# Altium PCB openmv-stm32n.PcbDoc (part 3 of 5) (continued)
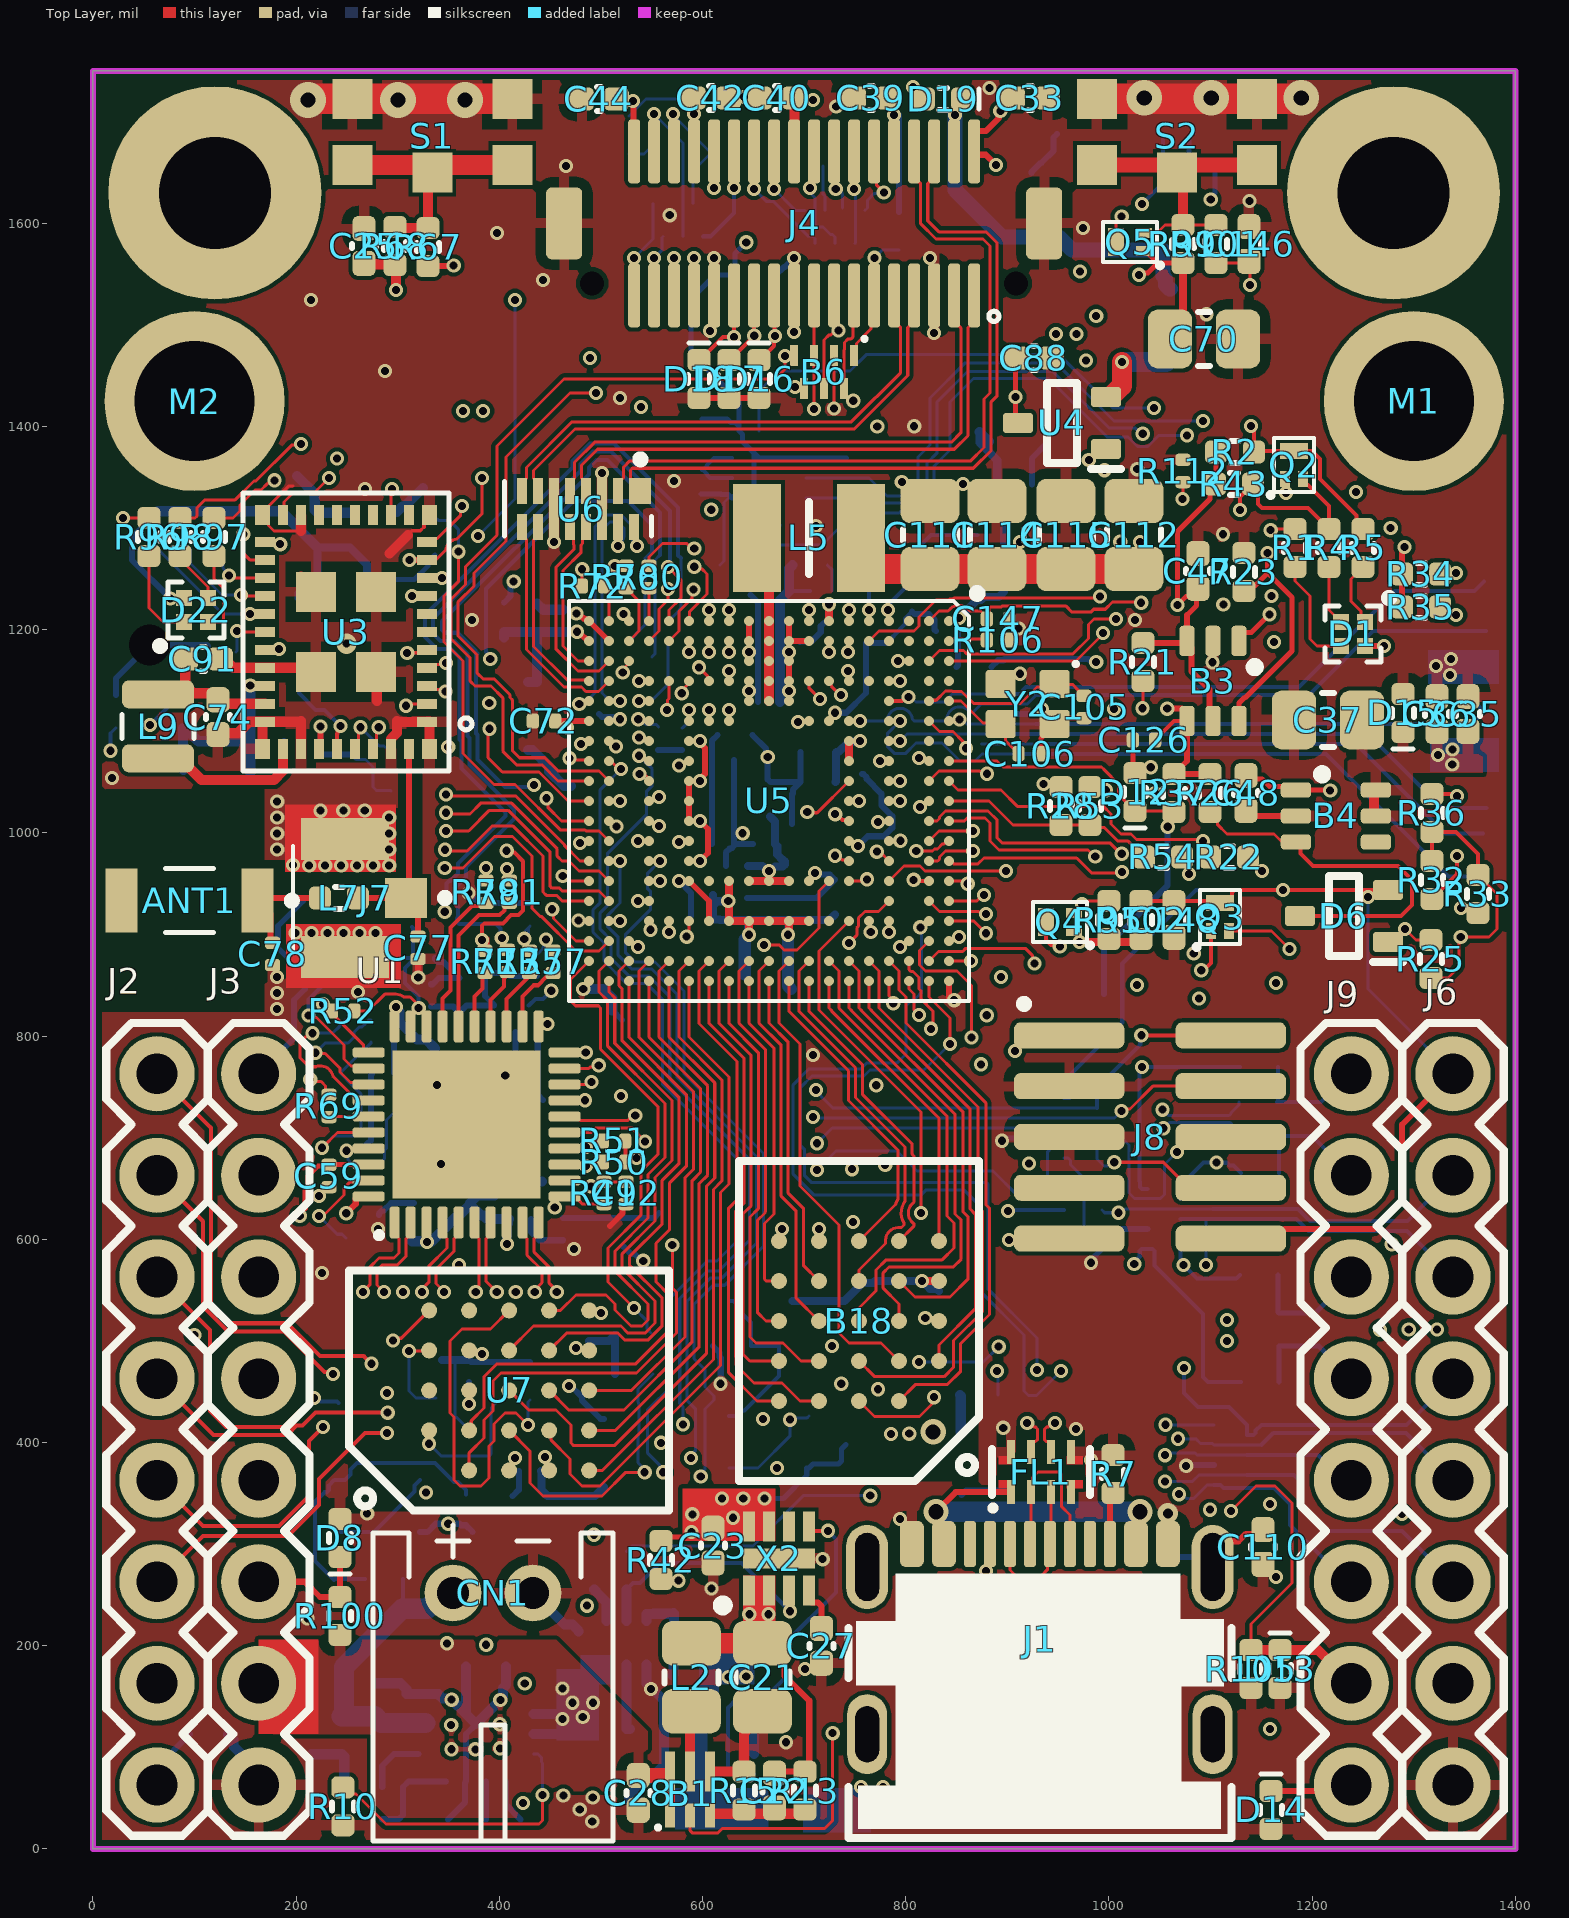
[diagram p0: Top Layer view]
## Nets (pads, with @x,y where several pads share a name; then routed paths per layer and width w, separated by ;. In a path a pad name is that pad's centre, name@x,y a point inside that pad or via, vN(x,y) a via of type N, cw(c..) or ccw(c..) an arc to the next point about the centre after c; other vN are vias at no path point) (continued)
LED_PGOOD: D1.2 R4.2 | length 59
  Top Layer w3: R4.2@1216.54,1261.81 1216.54,1219.49 D1.2@1228.35,1207.68
LED_R: R98.1 U5.T12 | length 1161.3
  Top Layer w3: R98.1@85.63,1310.04 100.42,1310.04 102.18,1311.8 102.18,1319.91 109.81,1327.54 139.49,1327.54 158.41,1346.46 160.32,1346.46 195.6,1381.74 203.59,1381.74 v1(204.72,1382.87)
  L3H w3: v1(204.72,1382.87) 263.78,1382.87 348.43,1467.52 v1(489.17,1467.52)
  L5Z w3: v1(489.17,1467.52) 475.5,1453.85 475.5,1354.22 495.13,1334.6 495.13,1050.7 482.14,1037.7 482.14,1010.84 470.45,999.16 ccw(c479.21,990.24) 470.44,981.33 474.36,977.41 490.2,977.41 496.45,983.65 496.45,1031.88 512.8,1048.23 526.57,1048.23 536.42,1038.39 v1(536.42,992.13)
LED_R_INT: D22.3 R98.2 | length 52.8
  Top Layer w3: R98.2@85.63,1272.64 93.06,1265.2 93.06,1262.25 113.19,1242.13 D22.3@113.19,1231.3
LED_ST: D1.1 R5.1 | length 64.7
  Top Layer w3: R5.1@1250,1261.81 1238.26,1250.07 1238.26,1227.99 1247.95,1218.29 1247.95,1211.69 D1.1@1251.97,1207.68
LPO_IN: U3.37 X1.3 | length 78.4
  Top Layer w4: U3.37@240.14,1082.84 240.14,1097.4 240.59,1097.85 240.59,1099.43 243.63,1102.48 v1(243.63,1105.19)
  Bottom Layer w4: X1.3@202.57,1137.72 219.17,1121.12 227.88,1121.12 243.63,1105.37 v1(243.63,1105.19)
MDI_BI_DC_N: B14.2 B14.9 R46.1 U1.7 | length 902.2
  Top Layer w3: U1.7@391.39,616.67 391.39,605.32 387.01,600.95 387.01,558.63 v1(397.42,548.23)
  L5Z w3: v1(397.42,548.23) 397.42,548.34 390.58,555.17 390.58,560.46 399.81,569.68 422.04,569.68 460.67,608.31 644.78,608.31 667.38,630.91 797.3,630.91 816,649.61 937.06,649.61 981.46,694 1009.57,694 1028.17,712.6 1041.55,712.6 1042.65,711.5 1051.63,711.5 v1(1053.73,709.39)
  Bottom Layer w3: v1(1053.73,709.39) 1059.34,715 1100.87,715 1119.28,715 1121.04,713.25 1121.04,712.44 1128.94,704.54 R46.1@1128.94,701.77
MDI_BI_DC_N_INT: J9.7 R39.2 R46.2 | length 125.1
  Bottom Layer w4: R39.2@1167.32,665.35 1167.32,700.79 R46.2@1166.34,701.77 1199.81,701.77 J9.7@1238.58,663
MDI_BI_DC_P: B14.1 B14.10 R45.1 U1.6 | length 911.9
  Top Layer w3: U1.6@375.64,616.67 375.64,605.32 380.01,600.95 380.01,554.47 376.75,551.2 v1(376.75,548.23)
  L5Z w3: v1(376.75,548.23) 376.75,548.34 383.58,555.17 383.58,563.36 396.91,576.68 419.15,576.68 457.77,615.31 641.88,615.31 664.48,637.91 794.4,637.91 813.1,656.61 934.17,656.61 978.56,701 1006.67,701 1025.27,719.6 1044.56,719.6 1052.64,727.68 v1(1052.74,727.68)
  Bottom Layer w3: v1(1052.74,727.68) 1058.42,722 1103.77,722 1118.3,722 1120.05,723.76 1120.05,724.57 1127.95,732.47 R45.1@1127.95,735.24
MDI_BI_DC_P_INT: J9.8 R38.2 R45.2 | length 119.6
  Bottom Layer w4: R38.2@1166.34,769.68 1166.34,736.22 R45.2@1165.35,735.24 1208.85,735.24 1236.61,763 J9.8@1238.58,763
MDI_BI_DD_N: B14.5 B14.6 R48.1 U1.10 | length 825.2
  Top Layer w3: U1.10@438.63,616.67 438.63,605.32 434.26,600.95 434.26,587.4 448.93,572.72 448.93,556.95 456.47,549.41 v1(456.47,548.23)
  L5Z w3: v1(456.47,548.23) 449.15,555.56 449.15,563.98 454.07,568.9 471.4,568.9 482.34,557.96 792.27,557.96 809.11,574.8 829.67,574.8 916.28,488.19 1046.37,488.19 1065.02,506.83 1109.2,506.83 1116.03,500 v1(1116.14,500)
MDI_BI_DD_N_INT: J9.5 R44.2 R48.2 | length 120
  Bottom Layer w5: R44.2@1167.32,459.65 R48.2@1167.32,495.08 1206.5,495.08 J9.5@1238.58,463
MDI_BI_DD_P: B14.4 B14.7 R47.1 U1.9 | length 836.6
  Top Layer w3: U1.9@422.88,616.67 422.88,605.32 427.26,600.95 427.26,584.5 441.93,569.83 441.93,557.38 434.82,550.27 v1(434.82,548.23)
  L5Z w3: v1(434.82,548.23) 442.15,555.56 442.15,566.88 451.17,575.9 474.3,575.9 485.24,564.96 789.37,564.96 806.21,581.8 832.57,581.8 919.18,495.19 1043.47,495.19 1062.12,513.83 1109.2,513.83 1116.03,520.67 v1(1116.14,520.67)
MDI_BI_DD_P_INT: J9.6 R40.2 R47.2 | length 123.7
  Bottom Layer w5: R40.2@1166.34,564.96 1166.34,528.54 R47.2@1167.32,527.56 1203.14,527.56 J9.6@1238.58,563
MDI_LED: D21.1 J3.8 R55.1 | length 220
  Bottom Layer w6: J3.8@163,763 197.83,797.83 197.83,835.63 208.66,846.46 R55.1@208.66,876.97 191.93,876.97 182.09,886.81 182.09,908.46 D21.1@206.7,933.07
MDI_RX_N: B13.5 B13.6 J3.7 U1.5 | length 343.8
  Top Layer w3: v1(345.47,548.23) 345.47,548.74 337.6,556.62 337.6,570.72 355.52,588.64 355.52,600.95 359.89,605.32 U1.5@359.89,616.67
  L5Z w3: J3.7@163,663 163,618.26 164.76,616.5 184.29,616.5 195.36,605.43 231.19,605.43 259.73,576.88 328.14,576.88 338.15,566.88 338.15,555.56 v1(345.47,548.23)
MDI_RX_P: B13.4 B13.7 J3.6 U1.4 | length 331.7
  Top Layer w3: v1(323.82,548.23) 323.82,550.93 330.6,557.71 330.6,573.62 348.52,591.54 348.52,600.95 344.14,605.32 U1.4@344.14,616.67
  L5Z w3: J3.6@163,563 163,607.74 164.76,609.5 181.39,609.5 192.46,598.43 228.29,598.43 256.83,569.88 325.24,569.88 331.15,563.98 331.15,555.56 v1(323.82,548.23)
MDI_TX_N: B13.2 B13.9 J3.5 U1.2 | length 448.5
  Top Layer w3: v1(286.42,548.23) 279.53,555.12 279.53,569.77 284.45,574.69 299.25,574.69 308.27,583.71 308.27,600.95 312.65,605.32 U1.2@312.65,616.67
  L5Z w3: J3.5@163,463 163,443.79 147.38,428.17 147.38,425.93 136.81,415.35 125,415.35 116.14,424.21 116.14,485.24 140.75,509.84 272.88,509.84 278.74,515.7 278.74,540.55 v1(286.42,548.23)
MDI_TX_P: B13.1 B13.10 J3.4 U1.1 | length 457
  Top Layer w3: v1(265.75,548.23) 265.75,548.45 272.53,555.23 272.53,572.67 281.55,581.69 296.35,581.69 301.27,586.61 301.27,600.95 296.9,605.32 U1.1@296.9,616.67
  L5Z w3: J3.4@163,363 163,382.17 136.81,408.35 122.1,408.35 109.14,421.31 109.14,488.14 137.85,516.84 269.98,516.84 271.74,518.6 271.74,540.97 265.75,546.96 v1(265.75,548.23)
MIC_CLK: B15.4 U5.B19 | length 3670.3
  Top Layer w3: U5.B19@822.83,854.33 822.83,838.6 843.5,817.93 v1(843.5,792.32)
  L3H w3: v1(364.17,1415.35) 387.91,1439.09 459.59,1439.09 502.03,1396.65 632.93,1396.65 659.51,1370.08 946.85,1370.08 966.65,1389.87 1005.85,1389.87 1016.82,1378.91 1081.97,1378.91 1083.99,1380.93 1135.8,1380.93 1149.79,1366.94 1149.79,1308.09 1136.81,1295.11 1136.81,1269.68 1148.62,1257.87 1193.9,1257.87 1236.28,1300.26 v1(1277.23,1300.26) ; v1(929.13,471.46) 945.87,454.72 1049.21,454.72 1084.65,419.29 1280.51,419.29 1293.31,432.09 1293.31,481.87 v1(1322.79,511.35)
  L8V w3: v1(1277.23,1300.26) 1258.86,1281.89 1258.86,1233.32 1299.32,1192.86 1299.32,962.55 1312.12,949.75 1312.12,802.37 1307.08,797.33 1307.08,649.95 1308.07,648.96 1308.07,623.03 1306.22,621.18 1306.22,584.29 1304.13,582.21 1304.13,534.45 1307.09,531.5 1307.09,527.05 v1(1322.79,511.35)
  L8V w4: v1(56.1,1106.3) 152.56,1106.3 205.71,1159.45 205.71,1225.33 363.19,1382.81 v1@363.19,1415.35
  Bottom Layer w3: v1(843.5,792.32) 817.91,766.73 764.76,766.73 758.86,760.83 707.72,760.83 696.16,749.27 696.16,692.66 700.1,688.72 700.1,663.13 707.42,655.81 879.63,655.81 880.76,654.68 880.76,551.33 929.13,502.95 v1(929.13,471.46)
  Bottom Layer w4: v1(56.1,1106.3) 85.63,1135.83 B15.4@88.58,1135.83
MIC_DATA: B15.1 U5.B16 | length 3909.8
  L3H w3: v1(383.86,1415.35) 400.59,1432.09 456.69,1432.09 499.13,1389.65 630.03,1389.65 656.61,1363.08 949.75,1363.08 969.55,1382.87 1002.95,1382.87 1013.92,1371.91 1084.87,1371.91 1086.89,1373.93 1132.79,1373.93 1142.72,1364.01 1142.72,1311.02 1129.74,1298.04 1129.74,1266.75 1145.62,1250.87 1294.18,1250.87 1313.98,1270.67 1313.98,1301.18 1299.21,1315.94 1249.02,1315.94 1243.11,1321.85 v1(1243.11,1335.63) ; v1(952.76,470.47) 1048.99,470.47 1089.34,430.12 1271.65,430.12 1282.48,440.94 1282.48,504.92 1286.9,509.34 1292.98,509.34 v1(1295.07,511.43)
  L8V w3: v1(814.31,907.15) 817.29,907.15 820.73,910.59 821.14,910.59 ; v1(1243.11,1335.63) 1243.11,1239.17 1292.32,1189.96 1292.32,959.65 1305.12,946.85 1305.12,878.94 1299.22,873.04 1299.22,587.19 1295.07,583.05 v1(1295.07,511.43)
  L8V w4: v1(17.3,1080.9) 144.87,1080.9 218.5,1154.53 218.5,1225.39 384.37,1391.26 v1@384.37,1415.64
  Bottom Layer w3: B15.1@17.3,1098.13 B15.1@22.64,1103.46 ; v1(814.31,907.15) 815.63,905.84 815.63,843.19 810.04,837.6 808.07,837.6 800.2,829.72 800.2,782.48 791.45,773.73 761.86,773.73 755.96,767.83 704.82,767.83 689.16,752.17 689.16,664.17 709.44,643.89 815.18,643.89 820.11,648.81 857.1,648.81 873.76,632.15 873.76,548.43 916.34,505.85 916.34,450.79 920.83,446.3 928.58,446.3 v1(952.76,470.47)
  Bottom Layer w4: v1(17.3,1080.9) B15.1@17.3,1098.13
MIPI_CSI_CLK_INT_N: U5.V4 U6.9 | length 225
  Top Layer w3: U6.9@422.24,1301.18 422.24,1293.31 426.62,1288.93 426.62,1180.66 463.57,1143.7 480.77,1143.7 485.13,1139.34 497.61,1139.34 U5.V4@507.87,1149.61
MIPI_CSI_CLK_INT_P: U5.W4 U6.10 | length 188.1
  Top Layer w3: U6.10@437.99,1301.18 437.99,1293.31 433.62,1288.93 433.62,1183.56 466.47,1150.7 487.09,1150.7 U5.W4@488.19,1149.61
MIPI_CSI_CLK_N: J4.9 U6.8 | length 510.6
  Top Layer w3: U6.8@422.24,1336.61 422.24,1344.49 426.62,1348.86 426.62,1359.75 471.51,1404.64 746.46,1404.64 794.92,1453.1 794.92,1497.38 788.58,1503.72 J4.9@788.58,1529.13
MIPI_CSI_CLK_P: J4.7 U6.7 | length 510.6
  Top Layer w3: U6.7@437.99,1336.61 437.99,1344.49 433.62,1348.86 433.62,1356.85 474.41,1397.64 749.36,1397.64 801.92,1450.2 801.92,1497.38 808.27,1503.72 J4.7@808.27,1529.13
MIPI_CSI_D0_INT_N: U5.V5 U6.15 | length 228.5
  Bottom Layer w3: v1(516.73,1282.48) cw(c520.13,1282.48) 517.73,1284.88 520.75,1287.91 ccw(c516.34,1292.32) 522.58,1292.32 522.58,1300.25 516.73,1306.1 508.86,1306.1 500.98,1298.23 500.98,1137.8 507.2,1131.58 517.04,1131.58 v1(518.7,1129.92)
MIPI_CSI_D0_INT_P: U5.W5 U6.16 | length 249.7
  Bottom Layer w3: v1(478.56,1127.01) 481.54,1127.01 487.98,1133.46 489.65,1133.46 493.98,1137.8 493.98,1301.13 505.96,1313.1 519.63,1313.1 529.58,1303.15 529.58,1297.22 ; 529.58,1296.31 529.58,1292.32 ccw(c535.82,1292.32) 531.41,1287.92 534.44,1284.88 cw(c532.04,1282.48) v1(535.43,1282.48)
MIPI_CSI_D0_N: J4.8 U6.2 | length 740.6
  Top Layer w3: U6.2@516.73,1336.61 516.73,1344.49 520.15,1347.91 520.3,1347.91 522.06,1349.67 522.06,1360.12 527.92,1365.98 863.54,1365.98 876.97,1379.41 876.97,1427.22 882.87,1433.13 882.87,1577.76 875.98,1584.65 829.67,1584.65 814.61,1599.7 814.61,1639.12 808.27,1645.46 J4.8@808.27,1670.87
MIPI_CSI_D0_P: J4.6 U6.1 | length 742.2
  Top Layer w3: U6.1@538.39,1336.61 529.06,1345.94 529.06,1357.22 530.82,1358.98 866.43,1358.98 883.97,1376.51 883.97,1424.32 889.87,1430.23 889.87,1580.66 878.88,1591.65 832.57,1591.65 821.61,1602.6 821.61,1639.12 827.95,1645.46 J4.6@827.95,1670.87
MIPI_CSI_D1_INT_N: U5.V3 U6.12 | length 194.4
  Top Layer w3: U6.12@469.49,1301.18 472.91,1297.76 472.91,1283.98 473.43,1283.46 473.43,1279.12 455.6,1261.3 455.6,1181.21 477.36,1159.45 498.03,1159.45 U5.V3@507.87,1169.29
MIPI_CSI_D1_INT_P: U5.W3 U6.13 | length 158.2
  Top Layer w3: U6.13@485.24,1301.18 481.81,1297.76 481.81,1284.85 480.43,1283.46 480.43,1276.23 462.6,1258.4 462.6,1184.11 477.42,1169.29 U5.W3@488.19,1169.29
MIPI_CSI_D1_N: J4.3 U6.5 | length 560.4
  Top Layer w3: U6.5@469.49,1336.61 469.49,1344.49 473.86,1348.86 473.86,1364.83 493.71,1384.68 844.94,1384.68 854.22,1393.95 854.22,1497.2 847.64,1503.78 J4.3@847.64,1529.13
MIPI_CSI_D1_P: J4.1 U6.4 | length 560.2
  Top Layer w3: U6.4@485.24,1336.61 485.24,1344.49 480.86,1348.86 480.86,1361.93 496.61,1377.68 847.84,1377.68 861.22,1391.05 861.22,1497.38 867.32,1503.48 J4.1@867.32,1529.13
MIPI_CSI_R: R107.1 U5.T6 | length 23.1
  Bottom Layer w3: v1(536.62,1111.94) 538.93,1111.94 543.88,1106.99 554.17,1106.99 R107.1@556.62,1104.53
NetB4_3: B4.3 D6.3 R26.2 | length 373.9
  Top Layer w3: R26.2@1099.41,1020.67 1106.64,1013.44 1106.64,1008.52 1116.14,999.02 1162.4,999.02 1170.28,991.14 B4.3@1186.02,991.14
  Top Layer w4: B4.3@1186.02,991.14 1188.7,988.47 1188.7,979.61 1200.79,967.52 1284.45,967.52 1298.23,953.74 1298.23,929.13 1287.4,918.31 D6.3@1187.99,918.31
NetB4_5: B4.5 B4.6 C35.2 C36.1 C37.1 D15.1 J5.P$4 | length 25.6
  Top Layer w10: B4.5@1260.83,1016.73 B4.6@1260.83,1042.32
  other v1: 1337.86,1067.54 1323.82,1076.77 1338.13,1082.2
NetD9_2: D9.2 R108.1 R110.1 U9.3 | length 178.1
  Bottom Layer w4: U9.3@625.98,426.18 634.43,426.18 639.9,431.65 641.3,431.65 675.2,465.55 R108.1@675.2,495.08 R110.1@647.64,495.08 647.64,518.21 638.64,527.21 638.64,531.37 630.64,539.37 D9.2@626.48,539.37
NetD11_2: D11.2 R109.1 R111.1 U10.3 | length 301
  Bottom Layer w4: R109.1@267.72,265.75 238.19,265.75 R111.1@237.2,264.76 218.5,283.46 218.5,341.78 227.82,351.1 229.73,351.1 232.07,353.44 232.07,357.82 237.44,363.19 U10.3@243.11,363.19 248.14,363.19 253.5,368.56 253.5,373.58 259.84,379.92 336.61,379.92 355.21,361.32 359.13,361.32 367.13,353.32 D11.2@367.13,348.92
NetL5_2: L5.2 U5.K1 U5.K2 U5.K3 U5.K4 U5.K5 | length 165.3
  Top Layer w10: L5.2@653.54,1290.35 665.35,1278.54 U5.K1@665.35,1208.66 U5.K2@665.35,1188.98 U5.K3@665.35,1169.29 U5.K4@665.35,1149.61 U5.K5@665.35,1129.92
NetR112_1: R112.1 U5.E2 | length 621.1
  Top Layer w3: U5.E2@763.78,1188.98 773.62,1198.82 808.07,1198.82 812.99,1203.74 812.99,1212.6 829.72,1229.33 842.5,1229.33 843.69,1230.52 846.67,1230.52 847.26,1231.11 989.52,1231.11 v1(991.14,1232.73) ; v1(1072.4,1328.81) 1072.83,1329.25 R112.1@1072.83,1345.3
  L8V w3: v1(991.14,1232.73) 989.04,1234.84 989.04,1238.07 988.19,1238.92 988.19,1309.06 1010.83,1331.69 1010.83,1406.55 1035,1430.73 1049.5,1430.73 1056.82,1423.41 1056.82,1413.05 1045.68,1401.91 1045.68,1390.38 1072.4,1363.66 v1(1072.4,1328.81)
ONOFF: C146.2 R101.2 U5.W10 | length 1691.2
  Top Layer w3: v1(390.18,1102.54) 388.87,1101.23 388.87,1074.13 402.96,1060.04 438.98,1060.04 467.52,1031.5 U5.W10@488.19,1031.5 ; R101.2@1105.32,1561.02 1136.22,1561.02 C146.2@1137.8,1562.6 1138.78,1561.61 v1(1138.78,1539.37)
  L3H w3: v1(415.35,1524.61) 428.15,1511.81 639.65,1511.81 659.34,1531.5 859.25,1531.5 888.78,1561.02 929.13,1561.02 955.71,1534.45 974.41,1534.45 987.2,1547.24 987.2,1563.98 1004.92,1581.69 1120.08,1581.69 1138.78,1562.99 v1(1138.78,1539.37)
  L8V w3: v1(378.94,1292.32) 398.62,1292.32 417.03,1273.92 484.85,1273.92 503.26,1255.51 503.26,1244.51 501.5,1242.75 480.67,1242.75 475.38,1248.03 448.59,1248.03 374.94,1174.37 374.94,1149.28 376.7,1147.53 398.14,1147.53 409.56,1136.1 409.56,1119.95 398.14,1108.53 397.44,1108.53 391.45,1102.54 v1(390.18,1102.54)
  Bottom Layer w3: v1(378.94,1292.32) 415.35,1328.74 v1(415.35,1524.61)
ONOFF_INT: Q5.2 R99.1 R101.1 S2.2 S2.3 S2.4 | length 293.1
  Top Layer w3: Q5.2@1034.45,1590.55 1047.24,1590.55 1055.12,1598.43 R99.1@1072.83,1598.43 R101.1@1105.32,1598.43
  Top Layer w10: S2.3@1067,1657.52 1072.83,1651.69 R99.1@1072.83,1598.43
  Top Layer w15: S2.4@988.26,1657.52 1067,1657.52 S2.2@1145.74,1657.52
OTG1_R: R106.1 U5.A2 | length 38
  Top Layer w3: U5.A2@842.52,1188.98 844.37,1188.98 846.34,1190.94 R106.1@879.75,1190.94
OTG1_VBUS: C147.2 R103.1 U5.B1 | length 1796.1
  Top Layer w3: U5.B1@822.83,1208.66 832.69,1218.51 841.68,1218.51 842.56,1219.39 842.66,1219.5 cw(c852.36,1211.61) 862.07,1219.49 862.17,1219.39 863.05,1218.51 873.54,1218.51 879.75,1212.3 C147.2@879.75,1211.61 ; C147.2@879.75,1210.63 880.58,1211.47 881.7,1212.58 881.7,1220.78 883.46,1222.54 894.14,1222.54 895.23,1223.63 957.42,1223.63 963.64,1217.41 982.12,1217.41 984.94,1220.23 996.32,1220.23 1003.45,1227.36 1030.9,1227.36 v1(1031.68,1226.58)
  L3H w3: v1(1031.68,1226.58) 1051,1245.91 1136.38,1245.91 1150.1,1232.19 1158.9,1232.19 v1(1159.84,1233.13)
  L8V w3: v1(889.76,470.47) 928.44,431.79 966.79,431.79 980.12,418.46 980.12,402.77 994.72,388.17 994.72,361.64 1012.54,343.83 1012.54,324.46 1064.07,272.92 1064.07,257.89 1091.24,230.73 1112.92,230.73 1135.83,253.64 1135.83,1215.37 1151.58,1231.13 1157.84,1231.13 v1(1159.84,1233.13)
  Bottom Layer w3: v1(889.76,470.47) 890.75,469.49 R103.1@890.75,446.85
P0_MOSI: B9.1 J2.8 U5.F11 | length 1606.3
  Top Layer w4: J2.8@63,763 116.14,709.86 116.14,537.4 136.06,517.49 191.17,517.49 223.43,485.24 266.48,485.24 v1(274.14,477.57) ; v1(730.47,1018.52) 732.27,1018.52 737.86,1012.93 742.98,1012.93 U5.F11@744.09,1011.81
  L3H w3: v1(274.14,477.57) 281.24,470.47 478.35,470.47 501.14,447.68 570.81,447.68 575.35,443.14 763.34,443.14 v1(772.64,452.44)
  L8V w3: v1(730.47,1018.52) 689.96,978.01 689.96,911.98 696.54,905.39 696.54,871.93 738.92,829.56 738.92,813.99 767.61,785.3 767.61,766.03 758.46,756.89 758.46,746.53 776.46,728.53 776.46,687.66 767.21,678.4 767.21,668.05 785.43,649.83 785.43,467.52 772.64,454.72 v1(772.64,452.44)
P1_MISO: B9.7 J2.7 U5.A17 | length 1581.5
  Top Layer w4: J2.7@63,663 108.14,617.86 108.14,534.09 132.74,509.49 187.86,509.49 227.96,469.38 234.29,469.38 v1(236.2,467.47)
  L3H w3: v1(236.2,467.47) 266.56,467.47 270.56,463.47 420.39,463.47 443.18,440.68 567.91,440.68 572.45,436.14 757.75,436.14 v1(785.43,408.46)
  L8V w3: v1(785.43,408.46) 796.26,419.29 796.26,786.34 759.92,822.68 759.92,838.25 737.02,861.15 717.54,880.63 717.54,902.58 737.02,922.06 781.64,922.06 801.18,902.52 801.18,898.62 806.79,893.01 806.79,885.83 811.71,880.91 823.82,880.91 840.55,897.64 v1(852.36,897.64)
P2_SCLK: B9.6 J2.6 U5.V8 | length 1550.4
  Top Layer w3: U5.V8@507.87,1070.87 509.73,1070.87 517.6,1062.99 v1(519.68,1062.99)
  Top Layer w4: J2.6@63,563 115.16,510.84 115.16,431.1 130.91,415.35 187.88,415.35 203.68,431.15 204.75,431.15 v1(217.54,443.95)
  L3H w3: v1(217.54,443.95) 219.26,442.23 226.08,442.23 241.04,427.27 241.04,407.65 276.35,372.34 420.53,372.34 421.52,373.33 450.06,373.33 458.3,381.56 458.3,400.23 466.54,408.46 496.12,408.46 521.32,383.27 548.14,383.27 560.64,370.77 v1(560.96,370.77)
  Bottom Layer w3: v1(519.68,1062.99) 499.2,1042.51 499.2,931.36 492.2,924.36 492.2,902.41 502.92,891.69 502.92,873.92 524.81,852.03 544.45,852.03 560.69,835.79 560.69,752.45 637.8,675.34 637.8,602.36 614.17,578.74 604.55,578.74 569.34,543.53 569.34,455.71 546,432.37 546,389.55 557.74,377.81
  Bottom Layer w4: 223.95,440.25 240.26,440.25 B9.6@241.54,438.98
P3_SSEL: B9.3 J2.5 U5.T8 | length 1407.7
  Top Layer w4: J2.5@63,463 118.65,407.35 191.2,407.35 200.52,416.68 206.05,416.68 218.84,429.47 v1(290.02,429.47)
  L3H w3: v1(290.02,429.47) 290.02,421.93 cw(c289.37,409.45) 301.82,408.28 301.82,408.15 301.82,406.9 322.38,386.34 395.91,386.34 cw(c415.35,384.84) 412.8,404.17 413.49,404.86 414.37,405.74 414.37,422.24 425.81,433.68 565.02,433.68 v1(580.71,417.99)
  Bottom Layer w3: v1(537.4,1075.96) 537.59,1075.96 550.41,1063.15 550.41,1046.43 544.59,1040.61 544.59,1017.97 506.2,979.59 506.2,928.46 499.2,921.46 499.2,905.31 509.92,894.59 509.92,876.82 527.7,859.03 547.35,859.03 567.69,838.69 567.69,757.04 645.99,678.74 645.99,598.97 615.89,568.87 604.57,568.87 577.54,541.83 577.54,438.73 580.71,435.56 v1@580.71,417.32
P4_SCL: B9.5 J2.4 U5.T13 | length 1422.4
  Top Layer w4: J2.4@63,363 108.09,317.91 183.07,317.91 212.6,347.44 212.6,401.57 v1(226.38,415.35)
  L3H w3: v1(226.38,415.35) 226.38,402.56 263.59,365.34 451.97,365.34 479.35,392.72 501.97,392.72 536.42,358.27 587.36,358.27 595.6,366.5 v1(598.18,366.5)
  Bottom Layer w3: v1(558.07,972.44) 545.57,959.94 545.57,945.59 548.92,942.24 548.92,924.93 523.92,899.93 523.92,882.62 533.5,873.03 553.15,873.03 581.69,844.49 581.69,762.83 659.99,684.54 659.99,593.17 621.69,554.87 610.37,554.87 591.54,536.03 591.54,482.58 602.36,471.76 602.36,454.72 611.22,445.87 611.22,441.93 602.36,433.07 602.36,373.66 598.18,369.48 v1(598.18,366.5)
P5_SDA: B9.4 J2.3 U5.V13 | length 1356.9
  Top Layer w4: J2.3@63,263 108.07,308.07 191.93,308.07 222.44,338.58 222.44,364.17 267.72,409.45 v1(289.37,409.45)
  L3H w3: v1(289.37,409.45) 319.48,379.34 401.3,379.34 402.18,380.22 403.06,381.1 403.06,382.34 403.06,382.6 cw(c415.35,384.84) 424.33,393.54 424.92,392.95 426.16,392.95 427.4,392.95 452.44,417.99 496.5,417.99 524.22,390.27 551.04,390.27 556.99,384.32 588.06,384.32 v1(588.58,384.84)
  Bottom Layer w3: v1(518.7,972.44) 518.7,931.06 506.2,918.56 506.2,908.21 516.92,897.49 516.92,879.72 530.6,866.03 550.25,866.03 574.69,841.59 574.69,759.94 652.99,681.64 652.99,596.07 618.79,561.87 607.47,561.87 584.54,538.93 584.54,441.63 593.21,432.96 593.21,392.45 588.58,387.82 v1(588.58,384.84)
P6_ADC: B10.4 J2.2 R108.2 U5.T16 | length 2000.4
  L3H w3: v1(99.76,505.93) 110.56,516.73 477.36,516.73 499.02,495.08 v1(727.36,495.08) 829.72,495.08 886.81,437.99 962.6,437.99 989.85,410.74 1048.8,410.74 v1(1055.72,417.59) v1(1055.72,417.59)
  L8V w3: J2.2@63,163 112.2,212.2 112.2,493.49 v1(99.76,505.93) ; v1(548.71,904.7) 559.06,915.06 584.9,915.06 597.44,902.52 597.44,526.57 628.94,495.08 v1(727.36,495.08)
  Bottom Layer w3: v1(1055.72,417.59) 1055.99,417.32 B10.4@1103.23,417.32
P6_ADC_1V8_OUT: U5.V10 U9.1 U9.4 | length 1311.4
  L5Z w3: v1(518.7,1031.5) 520.18,1031.5 529.42,1022.26 529.42,1002.8 523.92,997.3 523.92,984.9 531.2,977.62 531.2,956.4 523.92,949.11 523.92,927.89 531.2,920.61 531.2,900.26 510.94,879.99 510.94,828.85 461.61,779.53 461.61,698.82 460.29,697.49 460.29,653.96 483.04,631.2 621.3,631.2 651.63,661.53 677.17,661.53 697.72,682.09 734.95,682.09 747.19,669.85 v1(747.19,669.12)
  L8V w3: v1(686.14,422.58) 656.5,392.93 656.5,368.11 666.34,358.27 691.93,358.27 750.98,417.32 750.98,467.52 765.75,482.28 765.75,636.81 747.19,655.37 v1(747.19,669.12)
  Bottom Layer w3: U9.1@625.98,375 654.53,375 686.14,406.61 v1(686.14,422.58) 687.94,424.38 702.92,424.38 U9.4@704.72,426.18
P7_PWM: B10.7 J6.3 U5.W11 | length 1632.3
  Top Layer w3: v1(446.49,1034.23) 447.73,1032.98 447.73,1025.2 461.12,1011.81 U5.W11@488.19,1011.81
  L3H w3: v1(559.17,399.76) 561.28,401.87 566.56,401.87 570.18,405.49 693.86,405.49 697.89,401.46 773.73,401.46 805.13,370.07 1046.86,370.07 v1(1055.12,361.82)
  L8V w3: v1(446.49,1034.23) 446.49,951.15 449.8,947.83 454.64,947.83 457.24,945.24 489.8,945.24 506.2,928.84 506.2,908.21 506.89,907.52 506.89,878.01 557.68,827.22 557.68,589.32 566.05,580.95 566.05,534.45 550.2,518.59 550.2,404.57 551.95,402.81 553.15,402.81 556.19,399.76 v1(559.17,399.76)
  Bottom Layer w3: v1(1055.12,361.82) 1082.29,361.82 1088.58,368.11 B10.7@1135.9,368.11
  Bottom Layer w4: B10.7@1135.9,368.11 1182.09,368.11 1188.98,361.22 1188.98,340.55 1216.54,312.99 1288.59,312.99 J6.3@1338.58,263
P8_PWM: B10.3 J6.4 U5.D16 | length 1261.7
  L3H w3: v1(803.43,408.78) 803.43,387.51 811.3,379.64 967.97,379.64 968.85,380.52 969.73,381.4 969.73,382.68 cw(c982.22,382.99) 994.72,382.65 994.72,381.4 995.6,380.52 996.47,379.64 1040.84,379.64 1043.27,382.07 1043.27,383.31 1043.27,383.76 cw(c1055.16,387.61) 1059.01,399.5 1059.46,399.5 1060.7,399.5 1064.94,403.74 v1(1067.91,403.74)
  L8V w3: v1(783.46,902.56) 783.14,902.56 770.64,915.06 739.92,915.06 724.54,899.68 724.54,883.53 766.92,841.15 766.92,825.58 843.5,749 843.5,448.86 840.35,445.71 840.35,444.96 cw(c827.86,444.72) 827.63,432.22 826.87,432.22 822.68,432.22 821.83,433.07 811.02,433.07 803.43,425.48 v1(803.43,408.78)
  Bottom Layer w3: v1(1067.91,403.74) 1085.44,403.74 1090.05,399.12 1101.74,399.12 B10.3@1103.23,397.64 1149.86,397.64
  Bottom Layer w4: 1149.86,397.64 1161.67,409.45 1292.13,409.45 J6.4@1338.58,363
P9_PWM: B10.5 J6.5 U5.V11 | length 1810
  L5Z w3: v1(515.2,1006.26) 503.94,995 503.94,836.89 503.06,836.01 503.06,835.68 451.77,784.39 451.77,652.58 480.15,624.2 624.2,624.2 654.53,654.53 784.45,654.53 793.77,663.85 904.01,663.85 909.27,669.12 909.27,670.36 909.27,670.8 cw(c921.18,674.62) 925,686.53 925.44,686.53 926.68,686.53 990.16,750 1062.01,750 1085.63,726.38 1085.63,609.25 1056.1,579.72 1056.1,554.13 1065.94,544.29 1118.11,544.29 1135.83,526.57 1135.83,492.13 1117.13,473.43 v1(1073.82,473.43)
  Bottom Layer w4: v1(1073.82,473.43) 1073.82,448.82 1087.6,435.04 1118.11,435.04 1135.9,417.25 B10.5@1135.9,407.48 1142.4,407.48 1144.34,409.42 1144.34,411.82 1149.97,417.45 1293.03,417.45 J6.5@1338.58,463
P10_PWM: B11.6 J6.6 R54.1 | length 735.2
  L8V w3: v1(1078.74,959.65) 1070.98,951.88 1070.98,749.89 1090.55,730.32 1090.55,582.06 1095.47,577.14 v1(1095.47,574.8)
  Bottom Layer w3: v1(1095.47,574.8) 1095.47,620.08
  Bottom Layer w4: B11.6@1070.47,620.08 1095.47,620.08 1184.55,620.08 1196.36,608.27 1293.31,608.27 J6.6@1338.58,563
P11_WAKEUP: B11.3 J6.7 Q4.3 R94.1 | length 691.8
  Top Layer w4: Q4.3@937.99,912.4 937.99,894.68 942.77,889.91 950.09,889.91 v1(951.62,888.38)
  L8V w4: v1(951.62,888.38) 952.17,888.38 975.39,865.16 975.39,684.06 1009.23,650.22 v1(1009.23,626.2)
  Bottom Layer w3: R94.1@993.11,628.94 995.85,626.2 1012.2,626.2 1015.92,629.92 1102.36,629.92
  Bottom Layer w4: 1102.36,629.92 1186.02,629.92 1197.67,618.27 1293.85,618.27 J6.7@1338.58,663
P12_RST_N: B12.4 C148.1 D6.2 J6.8 J8.10 Q3.3 R102.2 U5.F2 | length 1850.6
  Top Layer w4: R102.2@1031.5,933.07 1107.28,933.07 Q3.3@1109.25,931.1 1115.07,931.1 1120.94,936.98 1120.94,941.55 1123.28,943.9 D6.2@1274.61,943.9
  Top Layer w6: J8.10@1119.88,600.79 1163.26,600.79 1172.71,610.24 1260.83,610.24 1288.39,637.8 1288.39,712.81 J6.8@1338.58,763
  L3H w3: v1(743.11,1178.15) 745.99,1178.15 751.49,1183.65 803.56,1183.65 839.81,1147.39 840.3,1147.39 853.73,1133.97 928.58,1133.97 928.99,1134.38 939.34,1134.38 939.86,1133.86 999.05,1133.86 1000.41,1135.22 1109.63,1135.22 v1(1162.4,1187.99)
  L8V w3: v1(1162.4,1187.99) 1162.4,980.31 1171.26,971.46 v1(1171.26,943.9)
  Bottom Layer w3: v1(1254.92,937.01) 1254.92,846.66 J6.8@1338.58,763
  Bottom Layer w4: B12.4@955.51,739.17 961,739.17 962.94,741.11 962.94,763.31 1013.05,813.42 1013.05,871.32 1085.63,943.9 v1(1171.26,943.9)
P13_RX: B10.1 J9.3 U5.B11 | length 1135.2
  Top Layer w3: U5.B11@822.83,1011.81 830.71,1011.81 833.1,1014.2 833.1,1015.71 839.04,1021.65 857.55,1021.65 880.95,1021.67 889.87,1012.74 889.87,995.03 894.63,990.27 1000.76,990.27 1011.51,979.52 v1(1012.62,979.52)
  L8V w3: v1(1012.62,979.52) 1039.48,952.63 1039.48,871.01 1053.26,857.23 1053.26,744.84 1066.23,731.87 1066.23,704.21 1055.12,693.1 1055.12,690.12 ccw(c1066.93,686.02) 1055.12,681.93 1055.12,443.9 1091.54,407.48 1091.54,367.76 1076.1,352.32 1074.96,352.32 1071.89,349.24 v1(1068.91,349.24)
  Bottom Layer w3: v1(1068.91,349.24) 1071.89,349.24 1076.09,345.04 1083.5,345.04 1096.73,358.27 B10.1@1103.23,358.27
  Bottom Layer w4: B10.1@1103.23,358.27 1109.72,358.27 1112.67,355.32 1162.4,355.32 1178.15,339.57 1178.15,318.9 1234.05,263 J9.3@1238.58,263
P14_TX: B10.6 J9.4 U5.A13 | length 973.5
  Top Layer w3: U5.A13@842.52,972.44 844.37,972.44 847.21,969.6 871.13,969.6 876.95,975.42 968.12,975.42 982.88,960.66 1012.05,960.66 v1(1012.91,961.52)
  L8V w3: v1(1012.91,961.52) 1032.48,941.95 1032.48,868.11 1046.26,854.33 1046.26,738.7 1045.38,737.82 1045.24,737.68 ccw(c1052.74,727.68) 1043.08,719.75 cw(c1040.75,717.86) 1043.27,716.24 ccw(c1053.73,709.39) 1045.33,700.14 1045.37,700.09 ; 1045.38,700.09 1046.26,699.21 1046.26,425.76 ccw(c1055.72,417.59) 1046.26,409.43 1046.26,396.51 v1(1055.16,387.61)
  Bottom Layer w3: v1(1055.16,387.61) 1057.18,389.64 1084.77,389.64 1086.61,387.8 B10.6@1135.9,387.8
  Bottom Layer w4: B10.6@1135.9,387.8 1205.88,387.8 1230.67,363 J9.4@1238.58,363
P15_SSEL: B11.1 R44.1 U5.D8 | length 1117.7
  L3H w3: v1(774.61,1070.87) 774.61,1109.25 788.39,1123.03 795.6,1123.03 cw(c795.57,1120.03) 796.95,1122.69 ccw(c802.8,1133.74) 800.2,1121.52 cw(c799.57,1118.58) 800.4,1121.47 803.5,1120.57 ccw(c804.34,1123.45) 805.12,1120.55 806.61,1120.96 cw(c807.4,1118.06) 807.4,1121.06 813.98,1121.06 819.88,1126.97 901.57,1126.97 923.23,1105.32 988.19,1105.32 v1(1004.92,1122.05)
  L8V w3: v1(1004.92,1122.05) 1004.22,1121.34 995.36,1121.34 981.67,1107.65 981.67,1031.86 946.12,996.32 946.12,938.72 968.5,916.34 971.46,916.34 988.19,899.61 988.19,712.6 1024.9,675.89 v1(1024.9,575.88)
  Bottom Layer w4: v1(1024.9,575.88) 1024.9,577.85 1030.27,583.22 1030.27,588.61 1032.21,590.55 B11.1@1037.8,590.55 1042.87,590.55 1044.81,588.61 1044.81,574.11 1092.46,526.45 1092.46,464.62 1097.44,459.65 R44.1@1129.92,459.65
P16_SCLK: B11.7 R40.1 U5.D10 | length 835.8
  L3H w3: v1(794.29,1031.5) 802.17,1039.37 907.48,1039.37 917.32,1029.53 1035.43,1029.53 v1(1045.28,1039.37)
  L8V w3: v1(1045.28,1039.37) 1045.28,987.2 1063.98,968.5 1063.98,744.02 1082.68,725.32 1082.68,584.04 v1(1073.44,574.8)
  Bottom Layer w4: B11.7@1070.47,600.39 1070.47,580.48 1073.44,577.51 v1(1073.44,574.8) 1073.44,574.7 1086.83,561.31 1125.29,561.31 R40.1@1128.94,564.96